# Altium PCB pcb solar tracker.PcbDoc (part 1 of 2)
Units mm, origin at the board's own origin, x right, y up, seen from the top; angles counter-clockwise.
Board outline 144.13 x 101.6 mm, 2 copper layers (Top Layer, Bottom Layer); 121 components, 66 nets, 351 pads, 602 vias.
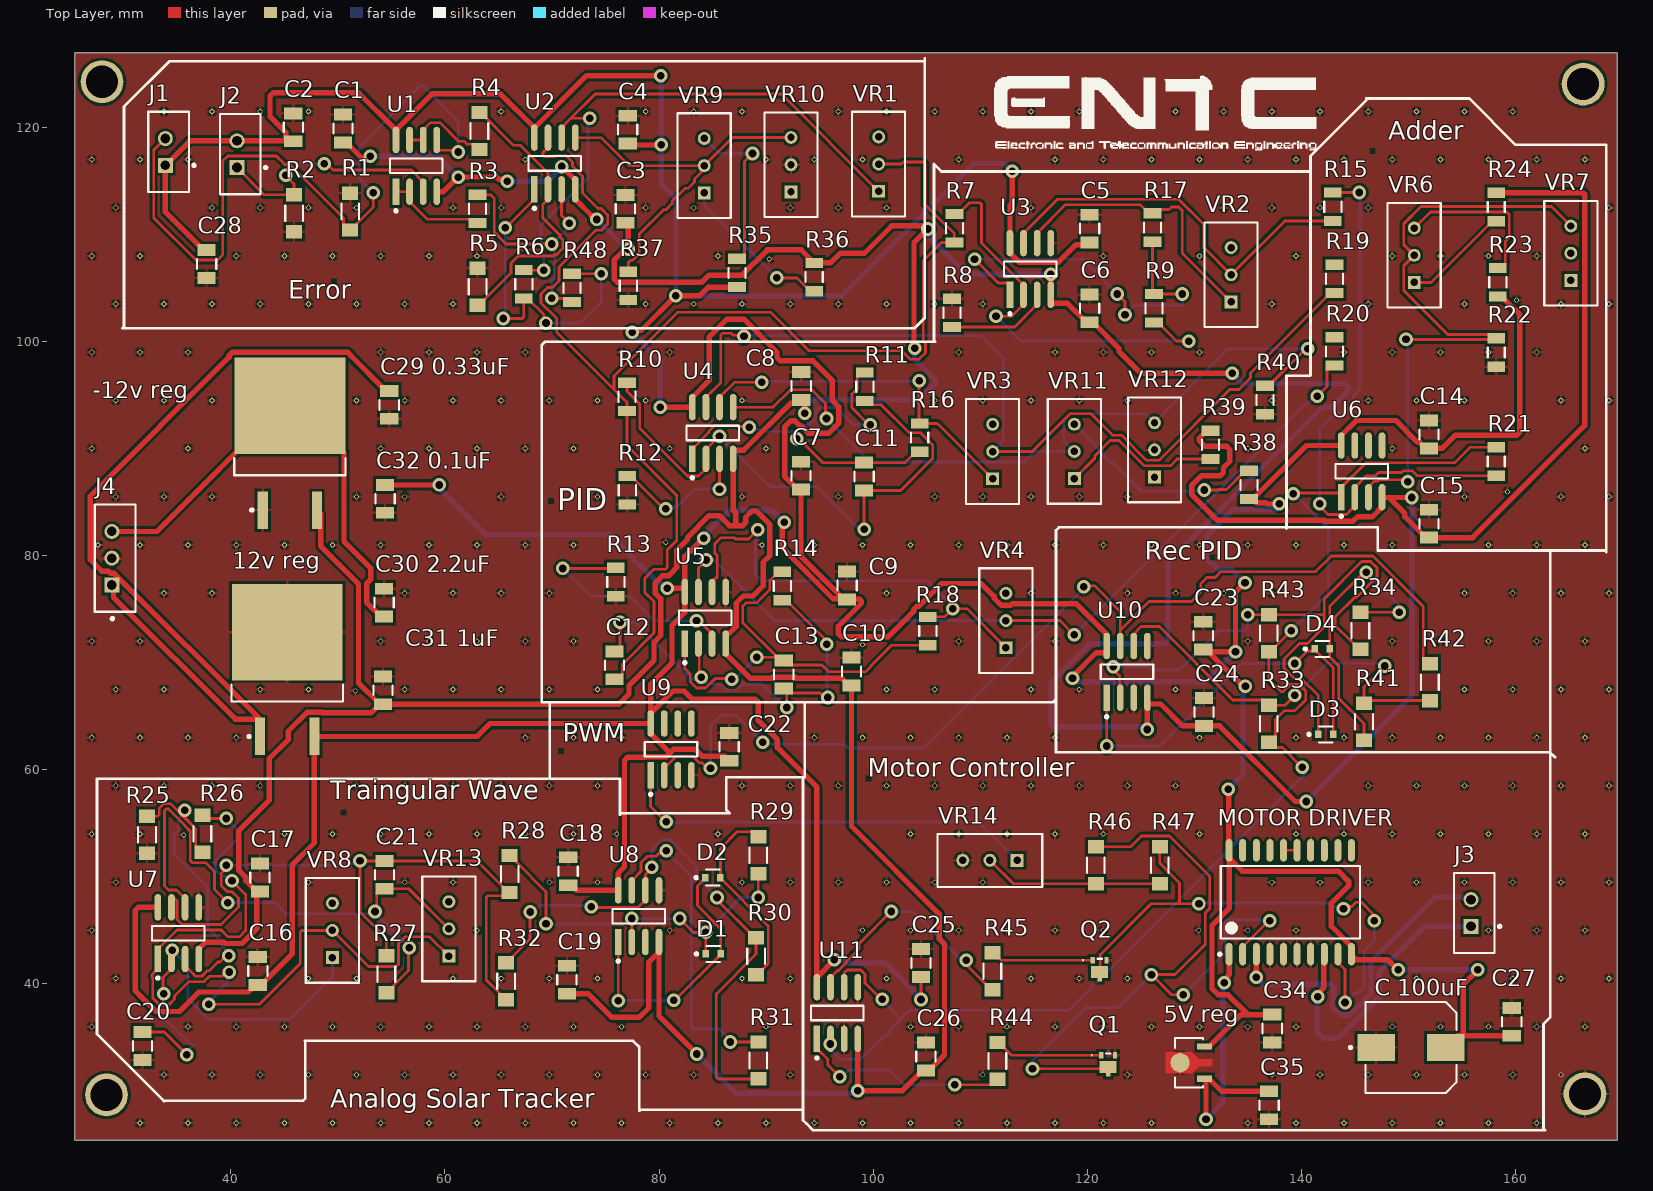
[diagram p0: Top Layer view]
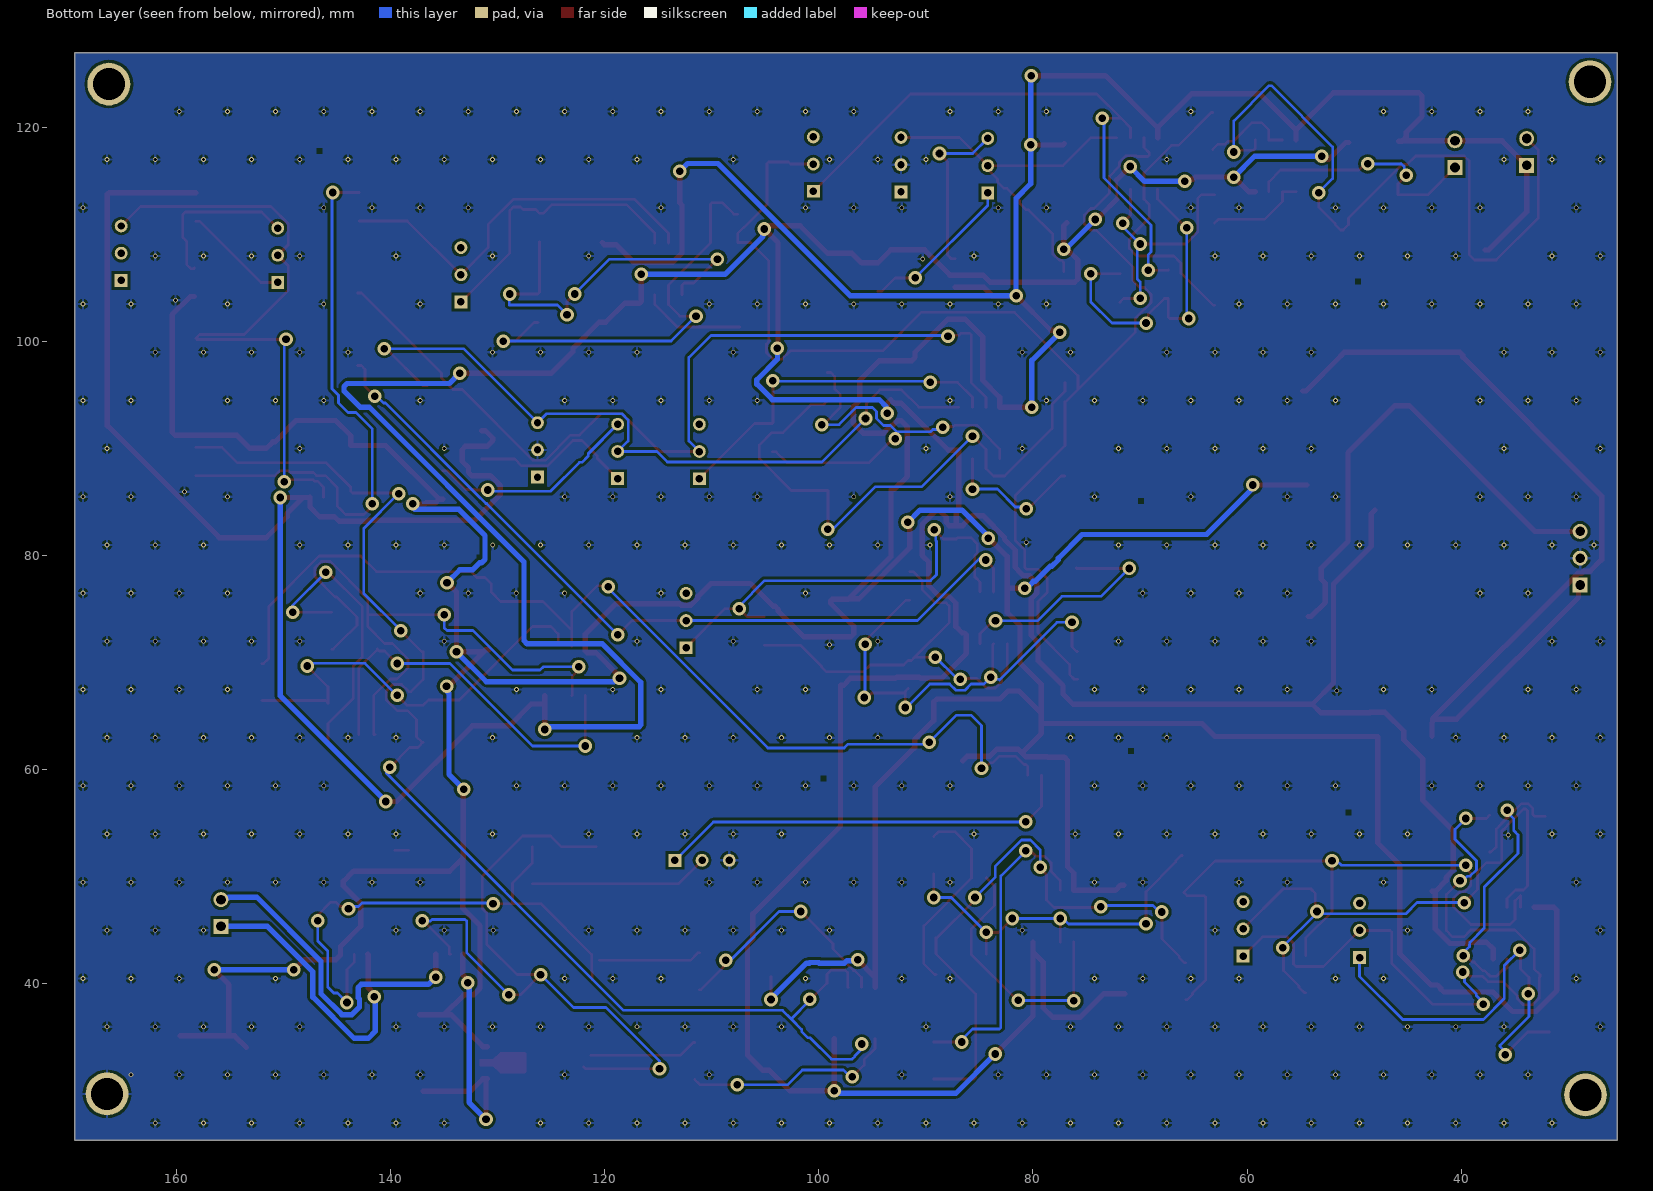
[diagram p1: Bottom Layer view, seen from below]
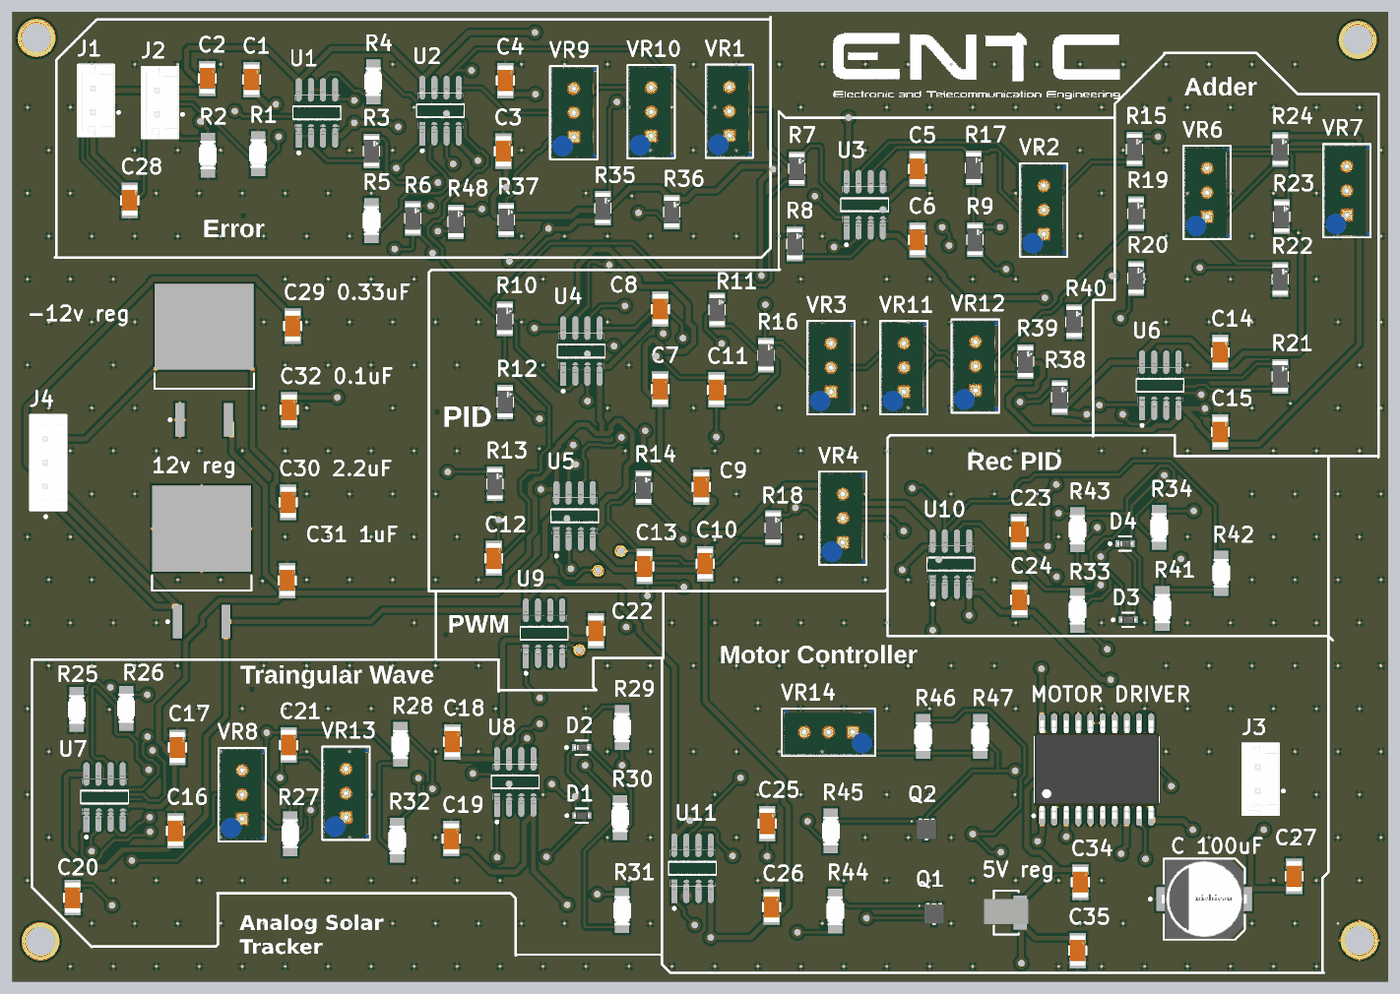
[diagram p3: 3D render of the assembled board from above, using the file's embedded part models]

## Layer stack, top to bottom
Top Solder: solder mask 0.0102, Solder Resist, Dk 3.5
Top Layer: signal copper 0.0356
Dielectric 1: dielectric 0.32, FR-4, Dk 4.8
Bottom Layer: signal copper 0.0356
Bottom Solder: solder mask 0.0102, Solder Resist, Dk 3.5

## Board outline
25.4,25.4 169.533,25.4 169.533,127 25.4,127

## Design rules (kind name [scope] priority, off if disabled: settings)
Clearance Clearance_1 [OnMid vs OnMid] p1: gap=0.254 ignorepadtopadclearanceinfootprint=FALSE except(0: Arc-Hole Track-Hole SMDPad-Hole THPad-Hole Via-Hole Fill-Hole Poly-Hole Region-Hole Text-Hole; 0.17: SMDPad-SMDPad)
Clearance Clearance_2 [(ExistsOnLayer('Top Layer') Or ExistsOnLayer('Bottom Layer')) vs (ExistsOnLayer('Top Layer') Or ExistsOnLayer('Bottom Layer'))] p2: gap=0.254 ignorepadtopadclearanceinfootprint=FALSE except(0: Arc-Hole Track-Hole SMDPad-Hole THPad-Hole Via-Hole Fill-Hole Poly-Hole Region-Hole Text-Hole; 0.17: SMDPad-SMDPad)
Clearance Clearance_3_1 [OnMid vs OnMid] p3: gap=0.254 ignorepadtopadclearanceinfootprint=FALSE except(0: Arc-Hole Track-Hole SMDPad-Hole THPad-Hole Via-Hole Fill-Hole Poly-Hole Region-Hole Text-Hole)
Clearance Clearance_3_2 [(ExistsOnLayer('Top Layer') Or ExistsOnLayer('Bottom Layer')) vs (ExistsOnLayer('Top Layer') Or ExistsOnLayer('Bottom Layer'))] p4: gap=0.254 ignorepadtopadclearanceinfootprint=FALSE except(0: Arc-Hole Track-Hole SMDPad-Hole THPad-Hole Via-Hole Fill-Hole Poly-Hole Region-Hole Text-Hole)
Clearance Clearance_3 [All] p5: gap=0.254 ignorepadtopadclearanceinfootprint=FALSE except(0: Arc-Hole Track-Hole SMDPad-Hole THPad-Hole Via-Hole Fill-Hole Poly-Hole Region-Hole Text-Hole)
Clearance Clearance_4 [All] p6: gap=0.254 ignorepadtopadclearanceinfootprint=FALSE except(0: Arc-Hole Track-Hole SMDPad-Hole THPad-Hole Via-Hole Fill-Hole Poly-Hole Region-Hole Text-Hole)
MinimumSolderMaskSliver [All] p1: minsoldermaskwidth=0.15
PolygonConnect [All] p1: connectstyle=Relief reliefconductorwidth=0.254 reliefentries=4 polygonreliefangle="90 Angle" airgapwidth=0.254
RoutingVias [All] p1: holewidth=0.711 width=1.27 viastyle="Through Hole" minholewidth=0.711 minwidth=1.27 maxholewidth=0.711 maxwidth=1.27
SilkToSilkClearance [All] p1: silktosilkclearance=0.15
SilkToSolderMaskClearance [IsPad] p1: minsilkscreentomaskgap=0.15 clearancetoexposedcopper=TRUE
SolderMaskExpansion [All] p1: expansion=0.102 istentingtop=FALSE
Width MaxMinWidth_1 [All] p1: maxlimit=0.5 minlimit=0.254 preferedwidth=0.254 minimp=50.000000 maximp=50.000000 favimp=50.000000
Width [All] p2: maxlimit=0.254 minlimit=0.254 preferedwidth=0.254
27 further rules are at their usual default settings.

## Components (designator, comment, footprint, x,y, rotation, side; value= is the part's Value field where it differs from the comment)
"5V reg" "L78L05ACUTR" FP-SOT-89-7098166-MFG 129.504,32.733 r90 top
"12v reg" "L7812ABD2T-TR" TO-263_L 45.259,69.362 r90 top (schematic designator "12v regulator")
"-12v reg" "L7912CD2T-TR" TO-263_L 45.52,90.512 r90 top (schematic designator "-12v regulator")
C1 "12063C105MAT2A" FP-1206-L_3_2_0_2-W_1_6_0-IPC_C 50.476,119.902 r90 top (schematic designator "C1 1uF")
C2 "12063C105MAT2A" FP-1206-L_3_2_0_2-W_1_6_0-IPC_C 45.838,120.022 r90 top (schematic designator "C2 1uF")
C3 "12063C105MAT2A" FP-1206-L_3_2_0_2-W_1_6_0-IPC_C 76.858,112.4 r90 top (schematic designator "C3 1uF")
C4 "12063C105MAT2A" FP-1206-L_3_2_0_2-W_1_6_0-IPC_C 77.068,119.805 r90 top (schematic designator "C4 1uF")
C5 "12063C105MAT2A" FP-1206-L_3_2_0_2-W_1_6_0-IPC_C 120.225,110.554 r90 top (schematic designator "C5 1uF")
C6 "12063C105MAT2A" FP-1206-L_3_2_0_2-W_1_6_0-IPC_C 120.225,103.11 r90 top (schematic designator "C6 1uF")
C7 "12063C105MAT2A" FP-1206-L_3_2_0_2-W_1_6_0-IPC_C 93.267,87.478 r90 top (schematic designator "C7 1uF")
C8 "12063C105MAT2A" FP-1206-L_3_2_0_2-W_1_6_0-IPC_C 93.287,95.859 r90 top (schematic designator "C8 1uF")
C9 "12063C105MAT2A" FP-1206-L_3_2_0_2-W_1_6_0-IPC_C 97.57,77.215 r90 top (schematic designator "C9 1uF")
C10 "12063C105MAT2A" FP-1206-L_3_2_0_2-W_1_6_0-IPC_C 97.977,69.184 r90 top (schematic designator "C10 1uF")
C11 "12063C105MAT2A" FP-1206-L_3_2_0_2-W_1_6_0-IPC_C 99.154,87.394 r90 top (schematic designator "C11 0.1 1uF")
C12 "12063C105MAT2A" FP-1206-L_3_2_0_2-W_1_6_0-IPC_C 75.844,69.757 r90 top (schematic designator "C12 0.1 1uF")
C13 "12063C105MAT2A" FP-1206-L_3_2_0_2-W_1_6_0-IPC_C 91.656,68.903 r90 top (schematic designator "C13 100 pF")
C14 "12063C105MAT2A" FP-1206-L_3_2_0_2-W_1_6_0-IPC_C 151.927,91.323 r90 top (schematic designator "C14  1uF")
C15 "12063C105MAT2A" FP-1206-L_3_2_0_2-W_1_6_0-IPC_C 151.927,82.987 r90 top (schematic designator "C15  1uF")
C16 "12063C105MAT2A" FP-1206-L_3_2_0_2-W_1_6_0-IPC_C 42.518,41.198 r90 top (schematic designator "C16 1uF")
C17 "12063C105MAT2A" FP-1206-L_3_2_0_2-W_1_6_0-IPC_C 42.713,49.937 r90 top (schematic designator "C17 1uF")
C18 "12063C105MAT2A" FP-1206-L_3_2_0_2-W_1_6_0-IPC_C 71.509,50.521 r90 top (schematic designator "C18 1uF")
C19 "12063C105MAT2A" FP-1206-L_3_2_0_2-W_1_6_0-IPC_C 71.397,40.382 r90 top (schematic designator "C19 1uF")
C20 "12063C105MAT2A" FP-1206-L_3_2_0_2-W_1_6_0-IPC_C 31.741,34.193 r90 top (schematic designator "C20 1uF")
C21 "12063C105MAT2A" FP-1206-L_3_2_0_2-W_1_6_0-IPC_C 54.352,50.186 r90 top (schematic designator "C21 0.1uF")
C22 "12063C105MAT2A" FP-1206-L_3_2_0_2-W_1_6_0-IPC_C 86.551,62.149 r90 top (schematic designator "C22 1uF")
C23 "12063C105MAT2A" FP-1206-L_3_2_0_2-W_1_6_0-IPC_C 130.84,72.526 r90 top (schematic designator "C23 1uF")
C24 "12063C105MAT2A" FP-1206-L_3_2_0_2-W_1_6_0-IPC_C 130.908,65.401 r90 top (schematic designator "C24 1uF")
C25 "12063C105MAT2A" FP-1206-L_3_2_0_2-W_1_6_0-IPC_C 104.472,41.954 r90 top (schematic designator "C25 1uF")
C26 "12063C105MAT2A" FP-1206-L_3_2_0_2-W_1_6_0-IPC_C 104.932,33.214 r90 top (schematic designator "C26 1uF")
C27 "12063C105MAT2A" FP-1206-L_3_2_0_2-W_1_6_0-IPC_C 159.664,36.449 r90 top (schematic designator "C27 1uF")
C28 "12063C105MAT2A" FP-1206-L_3_2_0_2-W_1_6_0-IPC_C 37.734,107.253 r90 top (schematic designator "C28 1uF")
"C29 0.33uF" "12063C105MAT2A" FP-1206-L_3_2_0_2-W_1_6_0-IPC_C 54.798,94.086 r90 top
"C30 2.2uF" "12063C105MAT2A" FP-1206-L_3_2_0_2-W_1_6_0-IPC_C 54.31,75.618 r90 top
"C31 1uF" "12063C105MAT2A" FP-1206-L_3_2_0_2-W_1_6_0-IPC_C 54.213,67.424 r90 top
"C32 0.1uF" "12063C105MAT2A" FP-1206-L_3_2_0_2-W_1_6_0-IPC_C 54.408,85.307 r90 top
C34 "12063C105MAT2A" FP-1206-L_3_2_0_2-W_1_6_0-IPC_C 137.282,35.823 r90 top (schematic designator "C34 0.33uF")
C35 "12063C105MAT2A" FP-1206-L_3_2_0_2-W_1_6_0-IPC_C 136.989,28.66 r90 top (schematic designator "C35 0.1uF")
"C 100uF" "UWT1H101MNL1GS" FP-UWT1H101MNL1GS-MFG 150.242,34.055 r0 top
D1 "1N4148WT-7" FP-SOD523-MFG 85.064,42.798 r0 top
D2 "1N4148WT-7" FP-SOD523-MFG 85.033,49.928 r0 top
D3 "1N4148WT-7" FP-SOD523-MFG 142.29,63.304 r0 top
D4 "1N4148WT-7" FP-SOD523-MFG 141.95,71.289 r0 top
J1 "B2B-EH-A(LF)(SN)" FP-B2B-EH-A_LF_SN-MFG 34.176,117.718 r90 top
J2 "B2B-EH-A(LF)(SN)" FP-B2B-EH-A_LF_SN-MFG 40.874,117.509 r90 top
J3 "B2B-EH-A(LF)(SN)" FP-B2B-EH-A_LF_SN-MFG 156.157,46.619 r90 top
J4 "B3B-EH(LF)(SN)" FP-B3B-EH_LF_SN-MFG 29.182,79.766 r90 top
"MOTOR DRIVER" "L293DD" STM-SOIC-20_M 138.972,47.625 r90 top
Q1 "BC53PAS-QX" BC53PASQX 121.956,32.482 r0 top
Q2 "BC53PAS-QX" BC53PASQX 121.159,41.35 r0 top
R1 "ERJ-8ENF1502V" FP-ERJ8EN-MFG 51.15,112.15 r90 top (schematic designator "R1 15K")
R2 "ERJ-8ENF1502V" FP-ERJ8EN-MFG 45.901,111.99 r90 top (schematic designator "R2 15K")
R3 "CRCW120610K0FKEA" FP-CRCW1206-e3-IPC_C 63.043,112.4 r90 top (schematic designator "R3 3.3K")
R4 "ERJ-8ENF1502V" FP-ERJ8EN-MFG 63.217,119.672 r90 top (schematic designator "R4  3.3K")
R5 "ERJ-8ENF1502V" FP-ERJ8EN-MFG 63.043,105.128 r90 top (schematic designator "R5 3.3K")
R6 "CRCW120610K0FKEA" FP-CRCW1206-e3-IPC_C 67.372,105.36 r90 top (schematic designator "R6 3.3K")
R7 "CRCW120610K0FKEA" FP-CRCW1206-e3-IPC_C 107.592,110.582 r90 top (schematic designator "R7 1K")
R8 "CRCW120610K0FKEA" FP-CRCW1206-e3-IPC_C 107.366,102.686 r90 top (schematic designator "R8 1K")
R9 "CRCW120610K0FKEA" FP-CRCW1206-e3-IPC_C 126.25,103.118 r90 top (schematic designator "R9 1K")
R10 "CRCW120610K0FKEA" FP-CRCW1206-e3-IPC_C 77.001,94.839 r90 top (schematic designator "R10 10K")
R11 "CRCW120610K0FKEA" FP-CRCW1206-e3-IPC_C 99.225,95.779 r90 top (schematic designator "R11 330K")
R12 "CRCW120610K0FKEA" FP-CRCW1206-e3-IPC_C 77.034,86.113 r90 top (schematic designator "R12 330K")
R13 "CRCW120610K0FKEA" FP-CRCW1206-e3-IPC_C 75.965,77.543 r90 top (schematic designator "R13 15 K")
R14 "CRCW120610K0FKEA" FP-CRCW1206-e3-IPC_C 91.517,77.173 r90 top (schematic designator "R14 15 K")
R15 "CRCW120610K0FKEA" FP-CRCW1206-e3-IPC_C 142.946,112.599 r90 top (schematic designator "R15  3.3K")
R16 "CRCW120610K0FKEA" FP-CRCW1206-e3-IPC_C 104.348,91.03 r90 top (schematic designator "R16 3.3 K")
R17 "CRCW120610K0FKEA" FP-CRCW1206-e3-IPC_C 126.098,110.656 r90 top (schematic designator "R17 3.3K")
R18 "CRCW120610K0FKEA" FP-CRCW1206-e3-IPC_C 105.115,72.956 r90 top (schematic designator "R18 3.3 K")
R19 "CRCW120610K0FKEA" FP-CRCW1206-e3-IPC_C 143.095,105.863 r90 top (schematic designator "R19  3.3K")
R20 "CRCW120610K0FKEA" FP-CRCW1206-e3-IPC_C 143.095,99.085 r90 top (schematic designator "R20 3.3K")
R21 "CRCW120610K0FKEA" FP-CRCW1206-e3-IPC_C 158.213,88.8 r90 top (schematic designator "R21   3.3K")
R22 "CRCW120610K0FKEA" FP-CRCW1206-e3-IPC_C 158.213,98.978 r90 top (schematic designator "R22 3.3 K")
R23 "CRCW120610K0FKEA" FP-CRCW1206-e3-IPC_C 158.363,105.543 r90 top (schematic designator "R23 3.3 K")
R24 "CRCW120610K0FKEA" FP-CRCW1206-e3-IPC_C 158.213,112.578 r90 top (schematic designator "R24 3.3K")
R25 "ERJ-8ENF1502V" FP-ERJ8EN-MFG 32.166,53.921 r90 top (schematic designator "R25 10K")
R26 "ERJ-8ENF1502V" FP-ERJ8EN-MFG 37.339,54.035 r90 top (schematic designator "R26 10K")
R27 "ERJ-8ENF1502V" FP-ERJ8EN-MFG 54.526,40.894 r90 top (schematic designator "R27 330K")
R28 "ERJ-8ENF1502V" FP-ERJ8EN-MFG 66.05,50.262 r90 top (schematic designator "R28 6.8K")
R29 "ERJ-8ENF1502V" FP-ERJ8EN-MFG 89.273,52.023 r90 top (schematic designator "R29 6.8K")
R30 "ERJ-8ENF1502V" FP-ERJ8EN-MFG 89.067,42.592 r90 top (schematic designator "R30 3.4K")
R31 "ERJ-8ENF1502V" FP-ERJ8EN-MFG 89.273,32.842 r90 top (schematic designator "R31 6.8K")
R32 "ERJ-8ENF1502V" FP-ERJ8EN-MFG 65.715,40.235 r90 top (schematic designator "R32 6.8K")
R33 "ERJ-8ENF1502V" FP-ERJ8EN-MFG 136.964,64.302 r90 top (schematic designator "R33 6.8K")
R34 "ERJ-8ENF1502V" FP-ERJ8EN-MFG 145.518,72.988 r90 top (schematic designator "R34 6.8K")
R35 "CRCW120610K0FKEA" FP-CRCW1206-e3-IPC_C 87.28,106.416 r90 top (schematic designator "R35 3.3K")
R36 "CRCW120610K0FKEA" FP-CRCW1206-e3-IPC_C 94.498,106.025 r90 top (schematic designator "R36 3.3 K")
R37 "CRCW120610K0FKEA" FP-CRCW1206-e3-IPC_C 77.135,105.206 r90 top (schematic designator "R37  3.3K")
R38 "CRCW120610K0FKEA" FP-CRCW1206-e3-IPC_C 135.113,86.614 r90 top (schematic designator "R38 3.3K")
R39 "CRCW120610K0FKEA" FP-CRCW1206-e3-IPC_C 131.52,90.355 r90 top (schematic designator "R39 3.3K")
R40 "CRCW120610K0FKEA" FP-CRCW1206-e3-IPC_C 136.609,94.547 r90 top (schematic designator "R40  3.3K")
R41 "ERJ-8ENF1502V" FP-ERJ8EN-MFG 145.858,64.493 r90 top (schematic designator "R41 3.4K")
R42 "ERJ-8ENF1502V" FP-ERJ8EN-MFG 152.014,68.187 r90 top (schematic designator "R42 6.8K")
R43 "ERJ-8ENF1502V" FP-ERJ8EN-MFG 136.964,72.746 r90 top (schematic designator "R43 6.8K")
R44 "ERJ-8ENF1502V" FP-ERJ8EN-MFG 111.608,32.8 r90 top (schematic designator "R44  1K")
R45 "ERJ-8ENF1502V" FP-ERJ8EN-MFG 111.142,41.185 r90 top (schematic designator "R45  1K")
R46 "ERJ-8ENF1502V" FP-ERJ8EN-MFG 120.802,51.075 r90 top (schematic designator "R46 1K")
R47 "ERJ-8ENF1502V" FP-ERJ8EN-MFG 126.782,51.075 r90 top (schematic designator "R47 1K")
R48 "CRCW120610K0FKEA" FP-CRCW1206-e3-IPC_C 71.874,105.013 r90 top (schematic designator "R48 3.3K")
U1 "TLV9152IDR" FP-D0008A-IPC_A 57.329,116.419 r90 top
U2 "TLV9152IDR" FP-D0008A-IPC_A 70.262,116.643 r90 top
U3 "TLV9152IDR" FP-D0008A-IPC_A 114.686,106.787 r90 top
U4 "TLV9152IDR" FP-D0008A-IPC_A 85.016,91.465 r90 top
U5 "TLV9152IDR" FP-D0008A-IPC_A 84.318,74.198 r90 top
U6 "TLV9152IDR" FP-D0008A-IPC_A 145.64,87.88 r90 top
U7 "TLV9152IDR" FP-D0008A-IPC_A 35.086,44.74 r90 top
U8 "TLV9152IDR" FP-D0008A-IPC_A 78.092,46.325 r90 top
U9 "TLV9152IDR" FP-D0008A-IPC_A 81.115,61.903 r90 top
U10 "TLV9152IDR" FP-D0008A-IPC_A 123.718,69.147 r90 top
U11 "TLV9152IDR" FP-D0008A-IPC_A 96.653,37.275 r90 top
VR1 "3296W-1-103RLF" FP-3296W-MFG 100.512,116.582 r0 top (schematic designator "VR1 20K")
VR2 "3296W-1-103RLF" FP-3296W-MFG 133.433,106.243 r0 top (schematic designator "VR2 20K")
VR3 "3296W-1-103RLF" FP-3296W-MFG 111.159,89.731 r0 top (schematic designator "VR3 20K")
VR4 "3296W-1-103RLF" FP-3296W-MFG 112.4,73.941 r0 top (schematic designator "VR4 20K")
VR6 "3296W-1-103RLF" FP-3296W-MFG 150.547,108.064 r0 top (schematic designator "VR6 100")
VR7 "3296W-1-103RLF" FP-3296W-MFG 165.178,108.259 r0 top (schematic designator "VR7 20K")
VR8 "3296W-1-103RLF" FP-3296W-MFG 49.482,44.99 r0 top (schematic designator "VR8 20K")
VR9 "3296W-1-103RLF" FP-3296W-MFG 84.219,116.437 r0 top (schematic designator "VR9 100")
VR10 "3296W-1-103RLF" FP-3296W-MFG 92.323,116.528 r0 top (schematic designator "VR10 20K")
VR11 "3296W-1-103RLF" FP-3296W-MFG 118.793,89.736 r0 top (schematic designator "VR11 100")
VR12 "3296W-1-103RLF" FP-3296W-MFG 126.282,89.885 r0 top (schematic designator "VR12 20K")
VR13 "3296W-1-103RLF" FP-3296W-MFG 60.363,45.137 r0 top (schematic designator "VR13 20K")
VR14 "3296W-1-103RLF" FP-3296W-MFG 110.912,51.535 r90 top (schematic designator "VR14  20K")

## Footprints (in the part's own frame and the unit in brackets; to place one, negate y for a bottom-side part, rotate by r counter-clockwise, add the part's x,y. Pads: shape width x height; smd on the part's side, far side on the other; paste and mask are expansions set on the pad)
BC53PASQX [mm]
  rect 0.4x0.6 smd mask+0.01: 1(-0.65,0.85) 2(0.65,0.85)
  rect 0.4x0.35 smd mask+0.01: 3(0,-0.975)
  rect 1.6x1.1 smd mask+0.01: 4(0,-0.25)
  silkscreen extent -1.6,0.8 0.2,1, body extent -1,-1.11 1,1.11, height 0.75
FP-1206-L_3_2_0_2-W_1_6_0-IPC_C [mm]
  rect 1.105x1.706 smd paste+0 mask+0: 1(-1.301,0) 2(1.301,0)
  silkscreen extent -0.45,-0.9 0.45,0.9, body extent -1.95,-1 1.95,1, height 0.25
FP-3296W-MFG [mm]
  rect 1.2x1.2 hole 0.7 paste-2539.97 mask+0: 1(0.005,-2.54)
  round 1.2 hole 0.7 paste-2539.97 mask+0: 2(0.005,0) 3(0.005,2.54)
  silkscreen extent -2.48,-4.89 2.48,4.89, body extent -2.58,-4.99 2.58,4.99, height 0.25
FP-B2B-EH-A_LF_SN-MFG [mm]
  rect 1.4x1.4 hole 0.9 paste-2539.97 mask+0: 1(-1.25,0.3)
  round 1.4 hole 0.9 paste-2539.97 mask+0: 2(1.25,0.3)
  silkscreen extent -3.75,-2.5 3.75,1.9, body extent -3.85,-2 3.85,2, height 0.25
FP-B3B-EH_LF_SN-MFG [mm]
  rect 1.4x1.4 hole 0.9 paste-2539.97 mask+0: 1(-2.5,0.3)
  round 1.4 hole 0.9 paste-2539.97 mask+0: 2(0,0.3) 3(2.5,0.3)
  silkscreen extent -5.77,-1.9 5,1.9, body extent -5.1,-2 5.1,2, height 0.25
FP-CRCW1206-e3-IPC_C [mm]
  rect 0.956x1.658 smd paste+0 mask+0: 1(-1.326,0) 2(1.326,0)
  silkscreen extent -0.47,-0.8 0.47,0.8, body extent -1.9,-0.97 1.9,0.97, height 0.25
FP-D0008A-IPC_A [mm]
  rect 2.469x0.622 smd paste+0 mask+0: 1(-2.414,1.905)
  rrect100% 2.469x0.622 smd paste+0 mask+0: 2(-2.414,0.635) 3(-2.414,-0.635) 4(-2.414,-1.905) 5(2.414,-1.905) 6(2.414,-0.635) 7(2.414,0.635) 8(2.414,1.905)
  silkscreen extent -4.32,-2.45 0.68,2.45, body extent -4.15,-2.95 4.15,2.95, height 0.25
FP-ERJ8EN-MFG [mm]
  rect 1.25x1.5 smd paste+0 mask+0: 1(-1.725,0) 2(1.725,0)
  silkscreen extent -0.72,-0.82 0.73,0.83, body extent -2.45,-0.92 2.45,0.92, height 0.25
FP-SOD523-MFG [mm]
  rect 0.6x0.7 smd paste+0 mask+0: 1(-0.7,0) 2(0.7,0)
  silkscreen extent -1.7,-0.75 0.63,0.75, body extent -1.1,-0.53 1.1,0.53, height 0.25
FP-SOT-89-7098166-MFG [mm]
  rect 0.57x1.4 smd paste+0 mask+0: 1(-1.6,-1.475) 3(1.4,-1.475)
  round 1.8 smd paste+0 mask+0: 2(-0.1,0.825)
  Top Layer region: -1.1,1.975 -1.1,-0.275 -0.425,-0.95 -0.425,-2.175 0.225,-2.175 0.225,-0.95 0.9,-0.275 0.9,1.975 0.873,2.075 0.8,2.148 0.7,2.175 0.7,2.175 -0.9,2.175 -1,2.148 -1.073,2.075 -1.1,1.975
  silkscreen extent -2.4,-1.3 2.2,1.3, body extent -2.5,-2.28 2.3,2.28, height 0.25
FP-UWT1H101MNL1GS-MFG [mm]
  rect 3.5x2.5 smd paste+0 mask+0: 1(-3.25,0) 2(3.25,0)
  silkscreen extent -5.77,-4.25 4.25,4.25, body extent -5.25,-4.5 5.25,4.5, height 0.25
STM-SOIC-20_M [mm] "SOIC, 20-Leads, Body 13x7.6mm, Pitch 1.27mm, IPC Low Density"
  oval 2.1x0.65 smd: 1(-4.85,5.715) 2(-4.85,4.445) 3(-4.85,3.175) 4(-4.85,1.905) 5(-4.85,0.635) 6(-4.85,-0.635) 7(-4.85,-1.905) 8(-4.85,-3.175) 9(-4.85,-4.445) 10(-4.85,-5.715) 11(4.85,-5.715) 12(4.85,-4.445) 13(4.85,-3.175) 14(4.85,-1.905) 15(4.85,-0.635) 16(4.85,0.635) 17(4.85,1.905) 18(4.85,3.175) 19(4.85,4.445) 20(4.85,5.715)
  silkscreen extent -4.97,-6.5 3.4,6.71, body extent -5.16,-6.5 5.16,6.5, height 2.65
TO-263_L [mm] "D2-PAK, 4-Leads, Body 9.2x10.2mm, Pitch 2.54mm, Lead Span 15.4mm, IPC High Density"
  rect 3.5x0.95 smd: 1(-6.25,2.54) 3(-6.25,-2.54)
  rect 9x10.35 smd: 4(3.5,0)
  silkscreen extent -6.37,-5.2 -1.4,5.2, body extent -3,-5.2 6.35,5.2, height 4.6

## Part data
"5V reg": library part CMP-0244-00407-2, "IC REG LINEAR 5V 100MA SOT89-3", Case/Package=SOT-89, Dropout Voltage=1.7V, Max Input Voltage=30V, Max Operating Temperature=125°C, Max Output Current=100mA, Min Input Voltage=7V, Min Operating Temperature=0°C, Min Output Voltage=5V, Output Voltage Accuracy=4%, Package Quantity=1, Power Supply Rejection Ratio (PSRR)=49dB, Quiescent Current=6mA, Accuracy=4%, Contact Plating=Tin, Height=1.6mm, Lead Free="Lead Free", Length=4.6mm, Mount="Surface Mount", Nominal Output Voltage=5V, Number of Outputs=1, Number of Pins=3, Number of Regulators=1, Output Current=100mA, Output Type=Fixed, Output Voltage=5V, Packaging="Tape and Reel", Polarity=Positive, Radiation Hardening=No, REACH SVHC="No SVHC", Weight=0.004603oz, Width=2.6mm
"12v reg": library part CMP-0244-00181-1, "Positive Voltage Regulator, 3-Pin D2PAK, Tape and Reel", ComponentLink1Description="Manufacturer URL", ComponentLink1URL=http://www.st.com, ComponentLink2Description=Datasheet, ComponentLink2URL=http://www.st.com/internet/com/TECHNICAL_RESOURCES/TECHNICAL_LITERATURE/DATASHEET/CD00000444.pdf, DatasheetVersion=16/11/2011, PackageDescription="3-Pin Transistor Outline Package 2.54 mm Pitch, 15.4 mm Lead Span (D2PAK)", PackageReference=TO-263, PackageVersion=2011
"-12v reg": library part CMP-0244-00212-1, "Negative Voltage Regulator, -12V, 3-Pin D2PAK, Tape and Reel", ComponentLink1Description="Manufacturer URL", ComponentLink1URL=http://www.st.com, ComponentLink2Description=Datasheet, ComponentLink2URL=http://www.st.com/internet/com/TECHNICAL_RESOURCES/TECHNICAL_LITERATURE/DATASHEET/CD00000450.pdf, DatasheetVersion=1/11/2011, PackageDescription="3-Pin Transistor Outline Package 2.54 mm Pitch, 15.4 mm Lead Span (D2PAK)", PackageReference=TO-263, PackageVersion=2011
C1 C2 C3 C4 C5 C6 C7 C8 C9 C10 C11 C12 C13 C14 C15 C16 C17 C18 C19 C20 C21 C22 C23 C24 C25 C26 C27 C28 "C29 0.33uF" "C30 2.2uF" "C31 1uF" "C32 0.1uF" C34 C35: library part CMP-04427-017534-1, "General Purpose Ceramic Capacitor, 1206, 1uF, 20%, X7R, 15%, 25V", Capacitance=1uF, Case Code (Imperial)=1206, Case Code (Metric)=3216, Dielectric=X7R, Max Operating Temperature=125°C, Min Operating Temperature=-55°C, Package Quantity=1, Tolerance=20%, Voltage Rating=25V, Case/Package=1206, Construction=Flat, Contact Plating=Tin, Depth=1.6mm, Height=1.78mm, Lead Free="Lead Free", Length=3.2mm, Mount="Surface Mount", Number of Pins=2, Packaging="Tape and Reel", Radiation Hardening=No, REACH SVHC="No SVHC", RoHS Compliant=Yes, Series=-, Termination=SMD/SMT, Thickness=0.07inch, Voltage Rating (DC)=25V, Width=0.063inch
"C 100uF": library part CMP-2000-07373-2, "CAP ALUM 100UF 20% 50V SMD", Capacitance=100uF, Case/Package=Radial, Dielectric Material=Aluminium, Leakage Current=3uA, Max Operating Temperature=105°C, Min Operating Temperature=-55°C, Package Quantity=500, Ripple Current=140mA, Tolerance=20%, Voltage=50V, Construction=Cylindrical, Diameter=8mm, Dissipation Factor=0.14%, Height=10mm, Height - Seated (Max)=0.413inch, Lead Free="Lead Free", Length=10mm, Life (Hours)=1000Hour, Mount="Surface Mount", Number of Pins=2, Packaging="Tape and Reel", Radiation Hardening=No, REACH SVHC="No SVHC", Ripple Current (AC)=140mA, RoHS Compliant=Yes, Series=WT, Termination=SMD/SMT, Voltage Rating=50V, Voltage Rating (DC)=50V
D1 D2 D3 D4: library part CMP-2000-05518-3, "DIODE GEN PURP 80V 125MA SOD523", Average Rectified Current=125mA, Capacitance=2pF, Forward Current=250mA, Forward Voltage=1.25V, Max Forward Surge Current (Ifsm)=2A, Max Operating Temperature=150°C, Max Repetitive Reverse Voltage (Vrrm)=100V, Max Reverse Voltage (DC)=80V, Min Operating Temperature=-65°C, Package Quantity=3000, Peak Reverse Current=1uA, Power Dissipation=150mW, Contact Plating=Tin, Current Rating=125mA, Element Configuration=Single, Height=0.65mm, Lead Free="Lead Free", Length=0.9mm, Max Surge Current=2A, Mount="Surface Mount", Number of Pins=2, Output Current=125mA, Packaging="Tape and Reel", Peak Non-Repetitive Surge Current=2A, Polarity=Standard, Power Rating=150mW, Radiation Hardening=No, REACH SVHC="No SVHC", Recovery Time=4ns, Reverse Recovery Time=4ns, Voltage Rating (DC)=80V, Weight=3.5E-05oz, Width=1.3mm
J1 J2 J3: library part CMP-17439-000026-1, "CONN HEADER VERT 2POS 2.5MM", Color=Natural, Contact Resistance=20mR, Current Rating=3A, Housing Color=White, Max Operating Temperature=85°C, Max Voltage Rating (AC)=250V, Min Operating Temperature=-25°C, Connector Type=Plug, Contact Material="Copper Alloy", Contact Mating Length=0.13inch, Contact Plating=Tin, Contact Type="Male Pin", Depth=3.8mm, Fastening Type=Detent, Gender=Male, Housing Material=Nylon, Lead Free="Lead Free", Length=7.5mm, Max Current Rating=3A, Mount="Through Hole", Number of Contacts=2, Number of Positions=2, Number of Rows=1, Orientation=Straight, Packaging=Bulk, Pitch=2.5mm, Series=EH, Termination=Press-Fit, Voltage Rating=250V
J4: library part CMP-17439-000692-1, "3 Position Single Row 2.5 mm Press Fit Through Hole Shrouded Pin Header", Current Rating=3A, Voltage Rating=250V, Contact Material=Brass, Lead Free="Lead Free", Mount="Through Hole", Number of Contacts=3, Number of Positions=3, Number of Rows=1, Orientation=Straight, Pitch=2.5mm, Series=EH, Termination=Solder
"MOTOR DRIVER": library part CMP-1771-00003-1, "Push-Pull Four Channel Driver with Diodes, 4.5 to 36 V, 20-Pin SOIC, RoHS, Tube", Case Code (Imperial)=0603, Case Code (Metric)=1608, Max Operating Temperature="155 degC", Min Operating Temperature="-55 degC", Package Quantity=5000, Power Rating="100 mW", Resistance="15 kohm", Tolerance=1%, Voltage Rating="50 V", Case\Package=0603, ComponentLink1Description="Manufacturer URL", ComponentLink1URL=http://www.st.com/, ComponentLink2Description=Datasheet, ComponentLink2URL=http://www.st.com/content/ccc/resource/technical/document/datasheet/04/ac/22/f9/20/5d/43/a1/CD00000059.pdf/files/CD00000059.pdf/jcr:content/translations/en.CD00000059.pdf, DatasheetVersion=Jul-03, Height="0.45 mm", Length="1.6 mm", Mount="Surface Mount", PackageDescription="20-Pin Small Outline Integrated Circuit, Body 12.8 x 7.5 mm, Pitch 1.27 mm", PackageReference=SOIC-20, Packaging="Tape and Reel", REACH SVHC=Unknown, RoHSCompliant=true, Width="0.8 mm"
Q1 Q2: "Transistor BJT PNP", Manufacturer_Name=Nexperia, Mouser Part Number=771-BC53PAS-QX, Datasheet Link=https://assets.nexperia.com/documents/data-sheet/BC53XPAS-Q_SER.pdf, Height=0.65mm, Manufacturer_Part_Number=BC53PAS-QX, Mouser Price/Stock=https://www.mouser.co.uk/ProductDetail/Nexperia/BC53PAS-QX?qs=Y0Uzf4wQF3mcJPegYmfiPg%3D%3D
R1: library part CMP-2003-00118-2, "15K", Case Code (Imperial)=1206, Case Code (Metric)=3216, Max Operating Temperature=155°C, Max Power Dissipation=250mW, Min Operating Temperature=-55°C, Resistance=15kΩ, Temperature Coefficient=100ppm/°C, Tolerance=1%, Voltage Rating=200V, Case/Package=1206, Composition="Thick Film", Contact Plating=Tin, Depth=1.6mm, Features="Automotive AEC-Q200", Height=600µm, Lead Free="Lead Free", Length=3.2mm, Lifecycle Status=Production, Military Standard=Not, Mount="Surface Mount", NexarPartId=55423295, Number of Pins=2, Number of Terminations=2, Packaging="Cut Tape (CT)", Power Rating=250mW, Radiation Hardening=No, REACH SVHC="No SVHC", RoHS=Compliant, Schedule B="8533210045, 8533210045", Termination=SMD/SMT, Voltage Rating (DC)=200V, Width=1.6mm
R2 R4 R5 R25 R26 R27 R28 R29 R30 R31 R32 R33 R34 R41 R42 R43 R44 R45 R46 R47: library part CMP-2003-00118-2, Case Code (Imperial)=1206, Case Code (Metric)=3216, Max Operating Temperature=155°C, Max Power Dissipation=250mW, Min Operating Temperature=-55°C, Resistance=15kΩ, Temperature Coefficient=100ppm/°C, Tolerance=1%, Voltage Rating=200V, Case/Package=1206, Composition="Thick Film", Contact Plating=Tin, Depth=1.6mm, Features="Automotive AEC-Q200", Height=600µm, Lead Free="Lead Free", Length=3.2mm, Lifecycle Status=Production, Military Standard=Not, Mount="Surface Mount", NexarPartId=55423295, Number of Pins=2, Number of Terminations=2, Packaging="Cut Tape (CT)", Power Rating=250mW, Radiation Hardening=No, REACH SVHC="No SVHC", RoHS=Compliant, Schedule B="8533210045, 8533210045", Termination=SMD/SMT, Voltage Rating (DC)=200V, Width=1.6mm
R3 R6 R7 R8 R9 R10 R11 R12 R13 R14 R15 R16 R17 R18 R19 R20 R21 R22 R23 R24 R35 R36 R37 R38 R39 R40 R48: library part CMP-2003-04807-2, "RES Thick Film, 10kΩ, 1%, 0.25W, 100ppm/°C, 1206", Case Code (Imperial)=1206, Case Code (Metric)=3216, Max Operating Temperature=155°C, Max Power Dissipation=250mW, Min Operating Temperature=-55°C, Package Quantity=10, Resistance=10kR, Temperature Coefficient=100ppm/°C, Tolerance=1%, Voltage Rating=200V, Case/Package=1206, Composition="Thick Film", Contact Plating=Tin, Depth=1.6mm, Features="Automotive AEC-Q200", Height=0.55mm, Lead Free="Lead Free", Length=3.2mm, Military Standard=Not, Number of Pins=2, Number of Terminations=2, Packaging="Tape and Reel", Power Rating=250mW, Radiation Hardening=No, Termination=SMD/SMT, Voltage Rating (DC)=200V, Weight=0.000353oz, Width=0.063inch, Working Voltage=200V
U1 U2 U3 U4 U5 U6 U7 U8 U9 U10 U11: library part CMP-04895-000148-1, "IC OPAMP GP 2 CIRCUIT 8SOIC"
VR1 VR2 VR3 VR4 VR6 VR7 VR8 VR9 VR10 VR11 VR12 VR13 VR14: library part CMP-07234-000024-1, "TRIMMER 10K OHM 0.5W PC PIN TOP", Max Operating Temperature=125°C, Max Power Dissipation=500mW, Min Operating Temperature=-55°C, Package Quantity=1, Resistance=10kR, Temperature Coefficient=100ppm/°C, Tolerance=10%, Composition=Cermet, Contact Plating=Tin, Depth=4.83mm, Height=0.395inch, Length=9.53mm, Military Standard=Not, Mount="Through Hole", Number of Turns=25, Packaging="Tape and Reel", Power Rating=500mW, Radiation Hardening=No, REACH SVHC="No SVHC", Taper=Linear, Termination=Pin, Weight=0.03oz, Width=0.19inch

## Free pads (board coordinates)
  round 4 hole 3: 6(28.382,29.626) 7(166.5,29.723) ""(27.962,124.272) ""(166.328,124.06)

## Via types
v1: diameter 0.45, hole 0.3, Top Layer to Bottom Layer, tented both sides, 454 vias
v2: diameter 1.27, hole 0.711, Top Layer to Bottom Layer, tented both sides, 145 vias
v3: diameter 1.27, hole 0.711, Top Layer to Bottom Layer, 3 vias

## Nets (pads, with @x,y where several pads share a name; then routed paths per layer and width w, separated by ;. In a path a pad name is that pad's centre, name@x,y a point inside that pad or via, vN(x,y) a via of type N, cw(c..) or ccw(c..) an arc to the next point about the centre after c; other vN are vias at no path point)
+12V: "5V reg.3" "12v reg.3" "C32 0.1uF.2" "C 100uF.2" "MOTOR DRIVER.10" "MOTOR DRIVER.20" C2.1 C4.1 C5.1 C7.1 C9.1 C14.1 C16.1 C18.1 C22.1 C23.1 C25.1 C27.1 C28.2 C34.2 J1.1 J2.2 R23.1 R35.1 R38.1 U1.8 U2.8 U3.8 U4.8 U5.8 U6.8 U7.8 U8.8 U9.8 U10.8 U11.8 | length 682.9
  Top Layer w0.254: v2(104.472,38.54) C25.1@104.472,40.653
  Top Layer w0.5: U7.8@33.181,47.154 31.353,47.154 31.06,46.861 31.06,39.377 33.022,37.414 35.19,37.414 37.012,39.236 41.622,39.236 41.915,39.529 41.915,39.595 42.218,39.898 42.819,39.898 45.747,42.826 45.747,51.131 47.799,53.184 47.799,63.112 62.992,63.112 64.196,64.317 U9.8@79.21,64.317 ; C28.2@37.734,108.554 37.433,108.554 33.876,112.111 J1.1@33.876,116.468 36.167,118.759 J2.2@40.574,118.759 C2.1@45.5,118.759 ; C2.1@45.838,118.722 45.537,118.722 C2.1@45.5,118.759 ; 54.408,86.608 v2(59.455,86.608) ; U1.8@55.424,118.833 U1.8@55.424,119.756 ; U2.8@68.357,119.057 U2.8@68.357,119.98 ; C18.1@71.509,49.22 71.81,49.22 72.29,48.739 U8.8@76.187,48.739 76.187,50.355 76.773,50.94 76.773,60.885 77.066,61.178 78.64,61.178 78.69,61.228 80.694,61.228 81.371,61.905 83.4,61.905 84.031,61.274 86.126,61.274 C22.1@86.551,60.848 ; C4.1@77.068,118.504 77.199,118.373 v2(80.208,118.373) ; v2(77.485,100.866) 77.68,101.06 78.34,101.06 v2(81.579,104.299) 83.821,104.299 84.611,105.089 R35.1@87.28,105.089 ; v2(80.107,93.878) U4.8@83.111,93.878 83.111,94.802 84.683,96.374 84.683,100.42 86.364,102.101 87.928,102.101 91.024,99.005 91.024,98.509 91.317,98.216 94.349,98.216 96.19,96.376 96.19,94.492 96.785,93.897 96.785,92.348 95.885,91.448 93.953,91.448 93.236,92.165 93.115,92.165 92.671,92.609 92.325,92.609 91.73,92.014 91.73,87.413 92.966,86.177 C7.1@93.267,86.177 93.267,79.916 97.269,75.914 C9.1@97.57,75.914 98.758,75.914 98.906,75.765 98.906,75.555 96.743,73.392 96.743,72.706 97.036,72.413 101.4,72.413 103.782,74.795 103.782,74.969 104.077,75.264 104.251,75.264 106.388,77.401 110.098,77.401 111.302,76.197 111.302,76.023 111.948,75.377 112.863,75.377 112.986,75.5 119.003,75.5 121.813,72.689 121.813,71.766 121.813,71.113 121.643,70.943 120.846,70.943 118.622,68.719 v2(118.622,68.545) ; v2(80.154,124.845) 73.221,124.845 U2.8@68.357,119.98 ; v2(80.772,76.97) 82.357,76.97 82.413,77.027 82.413,79.934 84.095,81.616 v2(84.166,81.616) ; 81.035,61.569 79.21,63.393 U9.8@79.21,64.317 ; U5.8@82.39,77.003 82.39,74.67 81.213,73.494 81.213,69.984 79.21,67.982 U9.8@79.21,65.24 ; v2(91.695,83.112) 91.517,82.934 91.517,80.717 96.259,75.975 C9.1@97.207,75.975 ; U11.8@94.748,39.689 U11.8@94.748,40.612 ; v2(96.357,42.265) 96.357,42.222 U11.8@94.748,40.612 ; v2(112.993,115.931) 112.993,112.949 112.781,112.737 U3.8@112.781,109.201 112.781,108.277 113.642,107.416 117.301,107.416 118.949,109.064 120.035,109.064 C5.1@120.225,109.254 ; C23.1@130.84,71.225 131.141,71.225 C23.1@131.345,71.021 ; 130.979,34.133 131.394,34.133 134.385,37.124 135.011,37.124 ; v2(133.193,58.189) 133.225,58.157 133.225,51.782 133.257,51.75 ; v2(134.741,77.488) 133.855,76.602 v2(133.855,71.021) C23.1@131.345,71.021 ; v2(134.783,67.81) 134.556,67.81 C23.1@131.345,71.021 ; C34.2@137.282,37.124 135.011,37.124 ; v2(137.957,84.835) 136.803,84.835 136.702,84.936 135.815,84.936 R38.1@135.464,85.287 ; v2(149.06,41.305) 149.018,41.305 148.06,42.264 145.104,42.264 144.687,42.681 144.687,43.5 142.806,45.381 142.806,47.538 144.428,49.16 144.428,49.574 143.479,50.524 134.483,50.524 133.257,51.75 ; 153.492,34.055 154.585,35.148 155.085,35.148 ; v2(156.489,41.305) 155.115,39.931 155.115,35.178 155.085,35.148 ; R23.1@158.363,104.217 158.714,104.217 160.416,102.515 160.416,91.531 160.123,91.239 154.369,91.239 153.152,90.022 C14.1@151.927,90.022 151.626,90.022 151.014,90.634 150.819,90.634 148.829,92.624 145.141,92.624 143.735,91.218 U6.8@143.735,90.294 140.47,90.294 R38.1@135.464,85.287 ; C27.1@159.664,35.148 155.085,35.148 ; C2.1@45.5,118.759 45.112,119.147 45.112,119.585 43.66,121.037 43.66,122.953 43.953,123.246 51.935,123.246 U1.8@55.424,119.756 ; U1.8@55.424,119.756 58.808,123.141 65.196,123.141 U2.8@68.357,119.98 ; U9.8@79.21,64.317 U9.8@79.21,65.24 ; U9.8@79.21,65.24 81.323,67.353 82.352,67.353 83.087,66.618 88.985,66.618 89.278,66.325 89.278,64.593 91.056,62.815 91.056,62.064 94.748,58.373 U11.8@94.748,40.612 ; 133.257,51.75 133.257,47.053 131.656,45.453 131.656,39.565 132.252,38.969 133.165,38.969 135.011,37.124 ; R38.1@135.464,85.287 R38.1@135.113,85.287 R38.1@135.464,85.287
  Bottom Layer w0.5: v2(59.455,86.608) 59.407,86.56 59.407,86.35 63.781,81.975 75.42,81.975 77.639,79.756 77.639,79.616 78.234,79.021 78.373,79.021 79.79,77.604 79.97,77.604 80.604,76.97 v2(80.772,76.97) ; v2(77.485,100.866) 80.107,98.244 v2(80.107,93.878) ; v2(80.154,124.845) 80.208,124.791 v2(80.208,118.373) 80.208,114.758 81.579,113.387 v2(81.579,104.299) 97.088,104.299 109.432,116.643 112.268,116.643 112.981,115.931 v2(112.993,115.931) ; v2(84.166,81.616) 84.166,81.79 86.636,84.26 90.547,84.26 v2(91.695,83.112) ; v2(96.357,42.265) 96.455,42.168 97.373,42.168 97.602,41.939 99.952,41.939 100.001,41.988 100.843,41.988 100.892,41.939 101.155,41.939 104.472,38.622 v2(104.472,38.54) ; v2(118.622,68.545) 118.831,68.545 119.151,68.224 131.058,68.224 v2(133.855,71.021) ; v2(133.193,58.189) 134.556,59.553 134.556,67.132 134.636,67.211 134.636,67.663 v2(134.783,67.81) ; v2(134.741,77.488) 133.547,78.682 132.344,78.682 131.69,79.336 131.516,79.336 131.19,79.662 131.19,81.875 133.658,84.343 137.74,84.343 137.957,84.56 v2(137.957,84.835) ; v2(149.06,41.305) v2(156.489,41.305)
-12V: "-12v reg.3" "C31 1uF.1" C1.1 C3.1 C6.1 C8.1 C10.1 C15.1 C17.1 C19.1 C24.1 C26.1 R24.2 R36.2 R39.2 U1.4 U2.4 U3.4 U4.4 U5.4 U6.4 U7.4 U8.4 U10.4 U11.4 | length 601.8
  Top Layer w0.254: v2(70.897,116.353) v2@70.931,116.353 ; U2.4@72.167,113.306 U2.4@72.167,114.229 U2.4@72.167,115.118 ; 73.671,111.802 74.072,111.802 74.183,111.691 v2(74.183,111.411)
  Top Layer w0.5: U7.4@36.991,42.327 36.991,43.25 37.629,43.888 39.354,43.888 39.477,43.765 41.051,43.765 42.413,45.127 C17.1@42.413,48.636 ; C17.1@42.714,48.636 C17.1@42.413,48.636 ; 48.06,84.262 48.408,83.914 48.408,80.856 51.929,77.335 51.929,68.106 53.912,66.123 ; C1.1@50.476,118.601 50.777,118.601 52.365,117.013 52.708,117.013 v2(53.019,117.324) ; U1.4@59.234,114.006 59.869,114.006 v2(61.233,115.371) 64.835,115.371 65.048,115.158 65.634,115.158 v2(65.828,114.964) ; v2@70.931,116.353 U2.4@72.167,115.118 ; C19.1@71.397,39.082 73.372,39.082 75.561,36.893 78.172,36.893 79.049,37.771 79.049,42.041 U8.4@79.997,42.988 ; U2.4@72.167,113.306 73.671,111.802 ; C3.1@76.858,111.099 77.135,110.822 v2(77.135,108.624) 76.927,108.624 76.606,108.303 76.497,108.303 75.802,107.608 75.802,105.845 76.097,105.55 84.005,105.55 84.663,106.208 87.766,106.208 90.125,108.567 93.283,108.567 R36.2@94.498,107.351 96.013,107.351 96.906,108.244 99.17,108.244 101.747,110.821 104.789,110.821 v2(105.09,110.521) 103.813,109.244 103.813,99.655 103.872,99.596 v2(103.872,99.37) ; U8.4@79.997,43.912 U8.4@79.997,42.988 ; v2(83.541,33.447) 79.997,36.99 U8.4@79.997,42.988 ; 87.16,82.934 87.16,84.022 86.921,84.26 86.921,89.791 86.977,89.848 87.902,89.848 92.31,94.256 92.985,94.256 C8.1@93.287,94.558 93.293,94.558 93.595,94.256 v2(93.595,93.295) ; U11.4@98.558,34.861 v2(98.558,30.017) 102.735,30.017 104.632,31.914 C26.1@104.932,31.914 105.233,31.914 106.675,33.355 106.675,43.716 106.167,44.224 106.167,46.537 97.977,54.726 C10.1@97.977,67.883 97.677,67.883 97.374,68.186 97.374,68.243 97.081,68.536 92.841,68.536 92.718,68.659 90.594,68.659 90.471,68.536 88.549,68.536 86.223,70.861 U5.4@86.223,71.785 86.223,72.609 86.393,72.779 86.606,72.779 87.198,73.372 87.198,75.555 87.871,76.227 88.763,76.227 89.724,77.188 89.724,79.388 90.355,80.019 90.355,82.919 89.101,84.174 88.686,84.174 88.102,83.59 88.102,83.104 87.809,82.811 86.575,82.811 85.651,83.735 84.674,83.735 82.655,81.716 82.655,81.52 81.652,80.517 81.652,78.911 81.393,78.653 81.393,78.628 80.875,78.109 80.301,78.109 79.633,77.442 79.633,76.498 80.159,75.973 80.159,72.537 79.528,71.906 79.528,70.196 77.201,67.869 77.201,67.075 76.249,66.123 54.213,66.123 53.912,66.123 ; v2(116.591,106.277) 116.591,103.747 116.761,103.577 118.156,103.577 119.924,101.809 C6.1@120.225,101.809 120.526,101.809 122.968,99.367 122.968,99.066 124.985,97.049 v2(133.56,97.049) ; v2(125.623,63.767) U10.4@125.623,66.312 ; U10.4@125.623,66.938 U10.4@125.623,66.312 ; R39.2@131.52,91.682 131.169,91.682 130.459,90.971 130.459,90.761 131.007,90.213 133.022,90.213 133.314,89.92 133.314,88.804 132.73,88.22 132.73,87.768 132.438,87.475 130.674,87.475 129.756,86.557 129.756,85.716 132.176,83.296 142.17,83.296 142.246,83.22 144.835,83.22 145.253,83.639 146.641,83.639 147.545,84.543 U6.4@147.545,85.467 147.579,85.433 148.18,85.433 ; v2(140.452,57.031) 140.449,57.035 139.436,57.035 132.371,64.1 C24.1@130.908,64.1 128.91,64.1 126.868,66.142 125.793,66.142 U10.4@125.623,66.312 ; v2(150.313,85.433) 148.18,85.433 ; R24.2@158.213,113.904 166.317,113.904 166.466,113.755 166.466,92.147 156.006,81.687 C15.1@151.927,81.687 151.626,81.687 149.673,83.639 149.673,83.94 148.18,85.433 ; C17.1@42.413,48.636 41.403,49.645 41.403,49.939 40.722,50.621 40.722,54.284 43.575,57.138 43.575,61.031 45.346,62.801 45.346,63.596 47.116,65.366 48.483,65.366 48.511,65.339 53.128,65.339 53.912,66.123
  Bottom Layer w0.5: v2(53.019,117.324) 59.28,117.324 v2(61.233,115.371) ; v2(65.828,114.964) 69.572,114.964 70.897,116.288 v2(70.897,116.353) ; v2(74.183,111.411) 76.97,108.624 v2(77.135,108.624) ; v2(83.541,33.447) 87.21,29.778 v2@98.409,29.778 ; v2(93.595,93.295) 93.743,93.443 93.743,93.952 94.363,94.572 104.34,94.572 105.792,96.024 105.792,96.438 103.872,98.358 v2(103.872,99.37) ; v2(105.09,110.521) 105.237,110.374 105.237,109.826 108.786,106.277 v2(116.591,106.277) ; v2(125.623,63.767) 125.623,63.886 125.475,64.035 116.794,64.035 116.645,64.184 116.645,68.178 120.233,71.766 127.252,71.766 127.545,72.059 127.545,79.422 142.005,93.882 142.872,93.882 144.36,95.369 144.36,95.794 144.067,96.087 134.523,96.087 v2(133.56,97.049) ; v2(140.452,57.031) 150.313,66.893 v2(150.313,85.433)
"Error signal": C12.1 R7.1 R10.1 U2.7 VR1.2 | length 127.4
  Top Layer w0.254: U2.7@69.627,119.057 69.627,118.133 69.137,117.644 69.137,117.433 69.286,117.284 70.259,117.284 70.344,117.369 71.317,117.369 71.913,116.774 71.913,116.386 72.859,115.44 72.859,113.882 74.314,112.427 74.604,112.427 75.199,111.832 75.199,110.99 74.604,110.395 74.083,110.395 70.664,106.975 70.664,105.657 70.056,105.05 69.563,105.05 68.968,104.455 68.968,103.613 69.563,103.018 69.609,103.018 70.452,102.176 70.452,100.868 75.791,95.529 ; C12.1@75.844,68.456 76.144,68.456 76.57,68.882 76.57,69.84 79.528,72.798 79.528,75.712 78.655,76.585 78.655,77.847 79.547,78.74 80.613,78.74 80.762,78.889 80.762,80.52 81.144,80.902 81.144,80.923 81.652,81.431 81.652,85.632 77.001,90.283 R10.1@77.001,93.513 77.001,94.372 76.948,94.372 75.791,95.529 ; VR1.2@100.517,116.582 102.633,116.582 102.838,116.787 104.699,116.787 104.847,116.639 104.847,112.807 106.96,110.693 107.013,110.693 107.592,110.115 R7.1@107.592,109.256 106.382,109.256 104.687,107.561 104.687,99.992 104.888,99.791 104.888,98.949 104.293,98.354 103.451,98.354 102.659,99.147 94.028,99.147 90.443,102.732 81.722,102.732 75.791,96.801 75.791,95.529